# Altium PCB DIOT_Backplane.pcbdoc (part 7 of 11)
Units mm, origin at the board's own origin, x right, y up, seen from the top; angles counter-clockwise.
Board outline 304.8 x 128.5 mm, 14 copper layers (Top Layer, L2, L3GND, L4, L5GND, L6, L7GND, L8, L9GND, L10, L11GND, L12, L13GND, Bottom Layer), stack 4.06 mm thick; 141 components, 1224 nets, 5318 pads, 471 vias.
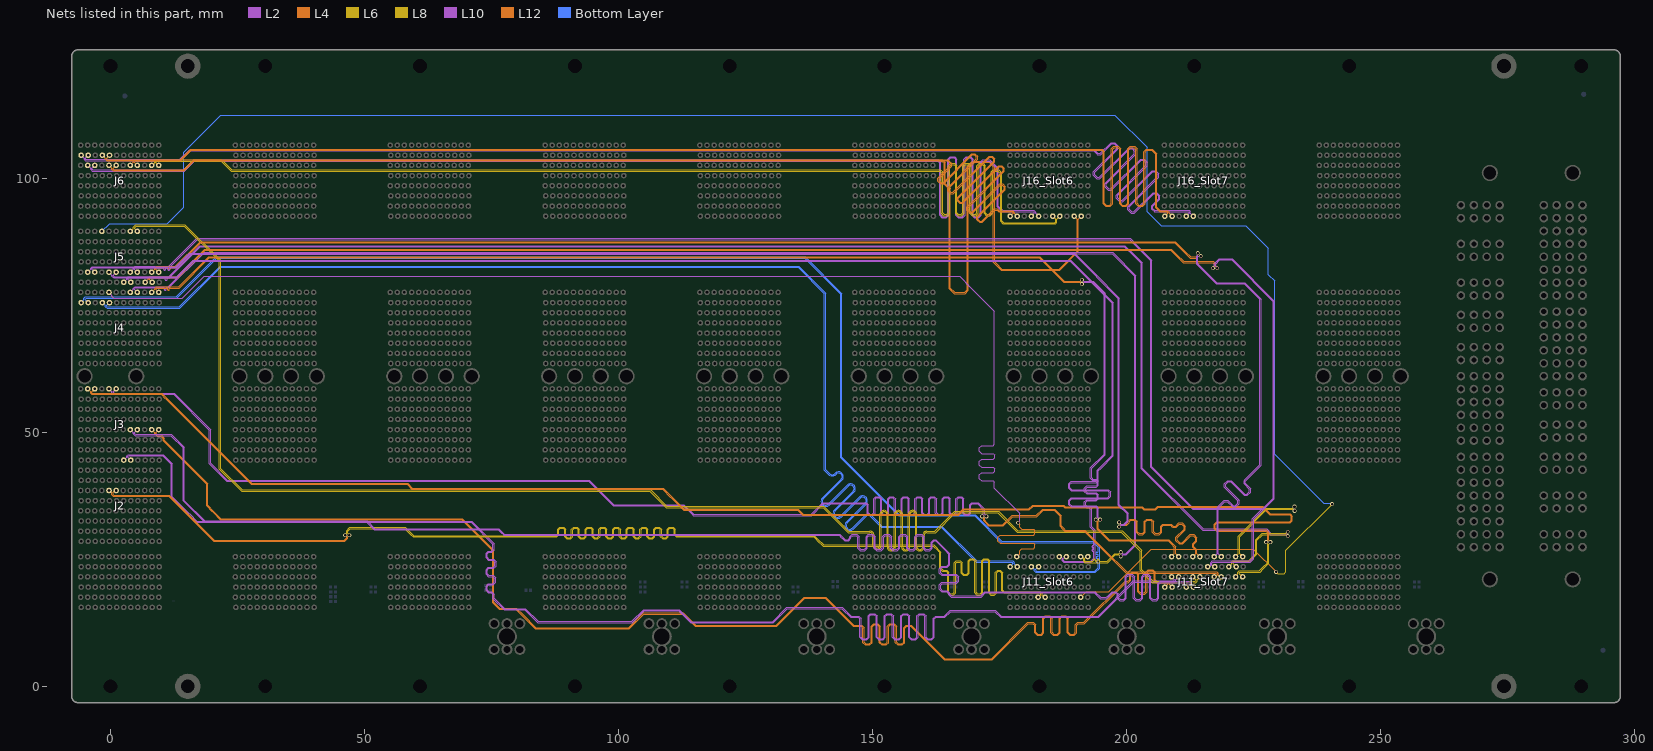
[diagram p19: the nets of this part, all layers, seen from the top]

## Via types
v1: diameter 0.75, hole 0.5, Top Layer to Bottom Layer, tented both sides, 429 vias
v2: diameter 0.85, hole 0.5, Top Layer to Bottom Layer, tented both sides, 32 vias
v3: diameter 1.3, hole 1, Top Layer to Bottom Layer, tented both sides, 10 vias

## Nets (pads, with @x,y where several pads share a name; then routed paths per layer and width w, separated by ;. In a path a pad name is that pad's centre, name@x,y a point inside that pad or via, vN(x,y) a via of type N, cw(c..) or ccw(c..) an arc to the next point about the centre after c; other vN are vias at no path point) (continued)
6_DIFF_8_P: J4.E8 J11_Slot6.B6 | length 264.7
  L2 w0.102: J4.E8@-0.28,77.55 0.306,76.965 0.306,76.796 0.658,76.443 14.162,76.443 18.428,80.709 167.178,80.709 169.295,78.592 174.027,73.86 174.027,49.65 174.027,47.69 173.747,47.41 171.478,47.41 171.065,46.996 171.065,46.248 171.478,45.834 173.768,45.834 174.048,45.555 174.048,44.996 173.768,44.716 171.478,44.716 171.065,44.302 171.065,43.554 171.478,43.14 173.768,43.14 174.048,42.861 174.048,42.302 173.768,42.022 171.478,42.022 171.065,41.608 171.065,40.86 171.478,40.446 173.747,40.446 174.027,40.167 174.027,40.049 174.027,39.037 178.985,34.078 178.985,32.566 178.674,32.254 v1(178.674,32.215)
  L4 w0.102: J11_Slot6.B6@178.4,25.55 178.985,26.136 178.985,26.405 178.985,26.65 179.399,27.064 181.72,27.064 182,27.344 182,27.903 181.72,28.182 175.125,28.182 174.712,28.596 174.712,29.344 175.125,29.758 181.72,29.758 182,30.038 182,30.597 181.72,30.876 179.399,30.876 178.985,31.29 178.985,31.455 178.985,31.503 178.985,31.864 178.674,32.176 v1(178.674,32.215)
6_DIFF_9_N: J4.I8 J11_Slot6.L6 | length 269.7
  L8 w0.12: J11_Slot6.L6@192.4,25.55 192.203,25.55 191.835,25.182 191.835,24.912 191.831,24.908 191.831,24.704 191.901,24.634 193.02,24.634 193.295,24.634 ccw(c193.295,24.821) 193.482,24.821 cw(c193.669,24.821) 193.856,24.821 ccw(c194.043,24.821) 194.23,24.821 194.23,24.831 cw(c194.417,24.831) 194.604,24.831 194.604,24.821 ccw(c194.791,24.821) 194.791,24.634 195.225,24.634 196.191,24.634 197.685,26.127 198.517,26.127 198.808,26.418 v1(198.902,26.418)
  L10 w0.102: J4.I8@5.32,77.55 4.734,78.136 4.734,78.224 4.97,78.459 10.02,78.459 10.427,78.459 cw(c10.427,78.281) 10.605,78.281 10.605,78.129 ccw(c10.783,78.129) 10.783,77.951 ccw(c10.783,78.129) 10.961,78.129 10.961,78.281 cw(c11.139,78.281) 11.139,78.459 11.511,78.459 18.257,85.205 197.191,85.205 201.62,80.776 201.62,27.83 199.897,26.107 199.253,26.107 198.941,26.418 v1(198.902,26.418)
6_DIFF_9_P: J4.H8 J11_Slot6.K6 | length 269.7
  L8 w0.12: J11_Slot6.K6@191,25.55 191.197,25.55 191.565,25.182 191.565,25.024 191.561,25.02 191.561,24.592 191.789,24.364 196.303,24.364 197.797,25.857 198.517,25.857 198.808,25.566 v1(198.902,25.566)
  L10 w0.102: J4.H8@3.92,77.55 4.506,78.136 4.506,78.318 4.875,78.688 11.416,78.688 18.162,85.434 197.286,85.434 201.849,80.871 201.849,27.735 199.992,25.878 199.253,25.878 198.941,25.566 v1(198.902,25.566)
6_DIFF_10_N: J4.L8 J11_Slot6.I6 | length 263.7
  L4 w0.102: J4.L8@9.52,77.55 8.935,78.136 8.935,78.207 9.135,78.408 10.661,78.408 11.068,78.408 cw(c11.068,78.23) 11.246,78.23 11.246,78.115 ccw(c11.424,78.115) 11.424,77.937 ccw(c11.424,78.115) 11.602,78.115 11.602,78.23 cw(c11.78,78.23) 11.78,78.408 12.187,78.408 12.62,78.408 13.511,78.408 19.444,84.341 182.855,84.341 187.687,79.509 190.88,79.509 191.192,79.197 v1(191.231,79.197)
  L10 w0.102: J11_Slot6.I6@188.2,25.55 187.939,25.55 187.615,25.226 187.615,24.807 187.77,24.652 193.009,24.652 193.593,25.236 193.593,26.125 193.593,26.421 ccw(c193.415,26.421) 193.415,26.599 193.398,26.599 cw(c193.398,26.777) 193.22,26.777 cw(c193.398,26.777) 193.398,26.955 193.415,26.955 ccw(c193.415,27.133) 193.593,27.133 ccw(c193.415,27.133) 193.415,27.311 193.398,27.311 cw(c193.398,27.489) 193.22,27.489 cw(c193.398,27.489) 193.398,27.667 193.415,27.667 ccw(c193.415,27.845) 193.593,27.845 193.593,28.252 193.593,30.629 192.907,31.315 192.907,34.783 192.907,34.901 192.628,35.181 192.148,35.181 191.735,35.594 191.735,36.343 192.148,36.757 193.969,36.757 194.248,37.036 194.248,37.595 193.969,37.875 192.148,37.875 191.735,38.288 191.735,39.037 192.148,39.451 193.969,39.451 194.248,39.73 194.248,40.289 193.969,40.569 193.321,40.569 192.907,40.982 192.907,41.816 192.907,43.041 195.6,45.733 195.6,77.325 193.416,79.509 191.582,79.509 191.27,79.197 v1(191.231,79.197)
6_DIFF_10_P: J4.K8 J11_Slot6.H6 | length 263.7
  L4 w0.102: J4.K8@8.12,77.55 8.705,78.136 8.705,78.302 9.04,78.637 13.416,78.637 19.349,84.57 182.95,84.57 187.782,79.738 190.88,79.738 191.192,80.049 v1(191.231,80.049)
  L10 w0.102: J11_Slot6.H6@186.8,25.55 187.061,25.55 187.386,25.226 187.386,24.712 187.675,24.423 193.104,24.423 193.822,25.141 193.822,30.724 193.136,31.41 193.136,34.783 193.136,34.996 192.723,35.41 192.243,35.41 191.964,35.689 191.964,36.248 192.243,36.528 194.063,36.528 194.477,36.941 194.477,37.69 194.063,38.104 192.243,38.104 191.964,38.383 191.964,38.942 192.243,39.222 194.063,39.222 194.477,39.635 194.477,40.384 194.063,40.798 193.416,40.798 193.136,41.077 193.136,41.816 193.136,42.946 195.829,45.639 195.829,77.42 193.51,79.738 191.582,79.738 191.27,80.049 v1(191.231,80.049)
6_DIFF_11_N: J6.C6 J16_Slot6.E1 | length 263.6
  L10 w0.102: J6.C6@-3.08,102.55 -3.665,101.965 -3.665,101.882 -3.447,101.663 14.442,101.663 16.398,103.618 162.314,103.618 162.964,103.618 163.442,103.141 163.442,92.822 163.785,92.479 164.471,92.479 164.814,92.822 164.814,103.757 165.291,104.234 166.166,104.234 166.643,103.757 166.643,92.822 166.986,92.479 167.672,92.479 168.015,92.822 168.015,103.757 168.493,104.234 169.368,104.234 169.845,103.757 169.845,92.822 170.188,92.479 170.874,92.479 171.217,92.822 171.217,103.141 171.695,103.618 171.908,103.618 173.095,103.618 174.769,101.945 174.769,94.545 175.615,93.699 181.779,93.699 182.114,93.364 182.114,93.136 J16_Slot6.E1@182.7,92.55
6_DIFF_11_P: J6.B6 J16_Slot6.D1 | length 263.6
  L10 w0.102: J6.B6@-4.48,102.55 -3.895,101.965 -3.895,101.787 -3.541,101.434 14.537,101.434 16.492,103.39 162.314,103.39 162.87,103.39 163.213,103.047 163.213,92.727 163.69,92.25 164.565,92.25 165.043,92.727 165.043,103.662 165.385,104.005 166.072,104.005 166.415,103.662 166.415,92.727 166.892,92.25 167.767,92.25 168.244,92.727 168.244,103.662 168.587,104.005 169.273,104.005 169.616,103.662 169.616,92.727 170.094,92.25 170.969,92.25 171.446,92.727 171.446,103.047 171.789,103.39 171.908,103.39 173.001,103.39 174.54,101.85 174.54,94.45 175.52,93.47 181.684,93.47 181.886,93.269 181.886,93.136 J16_Slot6.D1@181.3,92.55
6_DIFF_12_N: J6.F6 J16_Slot6.B1 | length 266.3
  L4 w0.102: J6.F6@1.12,102.55 0.534,101.965 0.534,101.817 0.626,101.726 14.476,101.726 16.432,103.681 164.888,103.681 165.258,103.311 165.584,102.986 165.584,102.401 163.108,99.925 163.108,99.53 163.503,99.134 163.899,99.134 169.602,104.837 170.187,104.837 170.716,104.308 170.716,103.723 165.013,98.02 165.013,97.625 165.408,97.229 165.804,97.229 172.958,104.384 173.543,104.384 174.072,103.854 174.072,103.269 166.918,96.115 166.918,95.72 167.313,95.324 167.709,95.324 174.863,102.479 175.448,102.479 175.977,101.949 175.977,101.364 168.823,94.21 168.823,93.815 169.218,93.42 169.614,93.42 175.082,98.888 175.667,98.888 176.197,98.359 176.197,97.774 170.782,92.359 170.782,91.964 171.177,91.568 171.572,91.568 173.994,93.99 174.579,93.99 174.73,93.84 174.921,93.648 177.613,93.648 177.915,93.347 177.915,93.136 J16_Slot6.B1@178.5,92.55
6_DIFF_12_P: J6.E6 J16_Slot6.A1 | length 266.3
  L4 w0.102: J6.E6@-0.28,102.55 0.306,101.965 0.306,101.722 0.531,101.497 14.571,101.497 16.527,103.452 164.793,103.452 165.096,103.149 165.355,102.891 165.355,102.495 162.879,100.02 162.879,99.435 163.409,98.905 163.994,98.905 169.696,104.608 170.092,104.608 170.487,104.213 170.487,103.818 164.784,98.115 164.784,97.53 165.314,97 165.898,97 173.053,104.155 173.448,104.155 173.843,103.759 173.843,103.364 166.689,96.21 166.689,95.625 167.218,95.095 167.803,95.095 174.958,102.25 175.353,102.25 175.748,101.854 175.748,101.459 168.594,94.305 168.594,93.72 169.123,93.191 169.708,93.191 175.177,98.659 175.573,98.659 175.968,98.264 175.968,97.869 170.553,92.454 170.553,91.869 171.082,91.339 171.667,91.339 174.089,93.761 174.484,93.761 174.568,93.678 174.826,93.419 177.519,93.419 177.685,93.252 177.685,93.136 J16_Slot6.A1@177.1,92.55
6_DIFF_13_N: J6.I6 J16_Slot6.K1 | length 265
  L12 w0.102: J6.I6@5.32,102.55 4.734,103.136 4.734,103.293 4.843,103.402 161.786,103.402 163.689,103.402 164.14,102.95 164.14,98.85 165.14,97.85 165.14,78.25 165.74,77.65 166.069,77.321 168.235,77.321 168.902,77.988 168.902,102.247 169.778,103.123 173.03,103.123 173.83,102.323 173.83,83.437 174.078,83.188 175.345,81.921 186.835,81.921 190.514,85.601 190.514,91.51 190.515,91.964 J16_Slot6.K1@191.1,92.55
6_DIFF_13_P: J6.H6 J16_Slot6.J1 | length 265
  L12 w0.102: J6.H6@3.92,102.55 4.506,103.136 4.506,103.388 4.748,103.631 163.783,103.631 164.302,103.112 164.369,103.045 164.369,98.945 165.302,98.012 165.369,97.945 165.369,78.345 166.064,77.65 166.164,77.55 168.14,77.55 168.673,78.083 168.673,102.342 169.683,103.352 173.124,103.352 174.059,102.418 174.059,83.579 174.24,83.398 174.24,83.35 175.44,82.15 186.74,82.15 190.285,85.695 190.285,91.964 J16_Slot6.J1@189.7,92.55
6_DIFF_14_N: J6.L6 J16_Slot6.H1 | length 265
  L8 w0.12: J6.L6@9.52,102.55 8.955,103.115 8.955,103.218 9.118,103.381 21.808,103.381 23.764,101.425 162.54,101.425 162.585,101.425 163.266,101.425 163.55,101.141 163.55,93.087 163.992,92.645 164.783,92.645 165.226,93.087 165.226,102.413 165.51,102.697 166.078,102.697 166.362,102.413 166.362,93.087 166.804,92.645 167.595,92.645 168.037,93.087 168.037,102.413 168.321,102.697 168.889,102.697 169.173,102.413 169.173,93.087 169.615,92.645 170.407,92.645 170.849,93.087 170.849,102.413 171.133,102.697 171.701,102.697 171.985,102.413 171.985,93.087 172.427,92.645 173.218,92.645 173.661,93.087 173.661,101.141 173.945,101.425 174.084,101.425 174.713,101.425 175.225,100.914 175.225,91.569 175.699,91.095 175.778,91.016 176.001,91.016 185.811,91.016 186.034,91.016 186.114,91.095 186.335,91.317 186.335,91.985 J16_Slot6.H1@186.9,92.55
6_DIFF_14_P: J6.K6 J16_Slot6.G1 | length 265
  L8 w0.12: J6.K6@8.12,102.55 8.685,103.115 8.685,103.33 9.006,103.651 21.92,103.651 23.876,101.695 162.54,101.695 162.585,101.695 163.378,101.695 163.82,101.253 163.82,93.199 164.104,92.915 164.672,92.915 164.956,93.199 164.956,102.525 165.398,102.967 166.189,102.967 166.631,102.525 166.631,93.199 166.915,92.915 167.483,92.915 167.767,93.199 167.767,102.525 168.209,102.967 169.001,102.967 169.443,102.525 169.443,93.199 169.727,92.915 170.295,92.915 170.579,93.199 170.579,102.525 171.021,102.967 171.813,102.967 172.255,102.525 172.255,93.199 172.539,92.915 173.107,92.915 173.391,93.199 173.391,101.253 173.833,101.695 174.084,101.695 174.825,101.695 175.495,101.025 175.495,91.681 175.89,91.286 185.923,91.286 186.065,91.429 186.065,91.985 J16_Slot6.G1@185.5,92.55
6_DIFF_15_N: J2.F6 J11_Slot6.F2 | length 268.2
  L4 w0.102: J2.F6@1.12,38.55 0.859,38.55 0.534,38.226 0.534,37.765 0.645,37.655 11.564,37.655 20.419,28.8 46.024,28.8 46.502,29.278 46.502,29.406 46.19,29.718 v1(46.19,29.757)
  L6 w0.102: v1(46.19,29.757) 46.19,29.796 46.502,30.108 46.502,30.639 47.144,31.282 58.033,31.282 59.278,30.037 59.684,29.631 87.669,29.631 87.787,29.631 88.067,29.91 88.067,30.932 88.481,31.345 89.229,31.345 89.643,30.932 89.643,29.575 89.922,29.295 90.481,29.295 90.761,29.575 90.761,30.932 91.175,31.345 91.923,31.345 92.337,30.932 92.337,29.575 92.616,29.295 93.175,29.295 93.455,29.575 93.455,30.932 93.869,31.345 94.617,31.345 95.031,30.932 95.031,29.575 95.31,29.295 95.869,29.295 96.149,29.575 96.149,30.932 96.563,31.345 97.311,31.345 97.725,30.932 97.725,29.575 98.004,29.295 98.563,29.295 98.843,29.575 98.843,30.932 99.257,31.345 100.005,31.345 100.419,30.932 100.419,29.575 100.698,29.295 101.257,29.295 101.537,29.575 101.537,30.932 101.951,31.345 102.699,31.345 103.113,30.932 103.113,29.575 103.392,29.295 103.951,29.295 104.231,29.575 104.231,30.932 104.644,31.345 105.393,31.345 105.807,30.932 105.807,29.575 106.086,29.295 106.645,29.295 106.925,29.575 106.925,30.932 107.338,31.345 108.087,31.345 108.501,30.932 108.501,29.575 108.78,29.295 109.339,29.295 109.619,29.575 109.619,30.932 110.032,31.345 110.781,31.345 111.195,30.932 111.195,29.91 111.474,29.631 112.405,29.631 138.577,29.631 139.237,28.97 140.38,27.827 162.087,27.827 163.469,26.445 163.469,23.321 163.94,22.85 164.146,22.85 164.6,22.85 165.013,22.436 165.013,18.48 165.293,18.201 165.852,18.201 166.131,18.48 166.131,24.283 166.545,24.697 167.294,24.697 167.707,24.283 167.707,22.335 167.987,22.056 168.546,22.056 168.825,22.335 168.825,24.722 169.239,25.136 169.988,25.136 170.401,24.722 170.401,18.48 170.681,18.201 171.24,18.201 171.519,18.48 171.519,24.722 171.933,25.136 172.682,25.136 173.095,24.722 173.095,18.48 173.375,18.201 173.934,18.201 174.213,18.48 174.213,22.436 174.627,22.85 174.84,22.85 175.133,22.85 175.669,22.314 175.669,18.89 175.902,18.658 183.087,18.658 183.414,18.33 183.414,17.874 183.739,17.55 J11_Slot6.F2@184,17.55
6_DIFF_15_P: J2.E6 J11_Slot6.E2 | length 268.2
  L4 w0.102: J2.E6@-0.28,38.55 -0.019,38.55 0.305,38.226 0.305,37.671 0.55,37.426 11.469,37.426 20.324,28.571 46.119,28.571 46.731,29.183 46.731,29.406 47.042,29.718 v1(47.042,29.757)
  L6 w0.102: v1(47.042,29.757) 47.042,29.796 46.731,30.108 46.731,30.545 47.239,31.053 57.938,31.053 58.954,30.037 59.116,29.875 59.589,29.402 87.669,29.402 87.882,29.402 88.296,29.815 88.296,30.837 88.575,31.116 89.134,31.116 89.414,30.837 89.414,29.48 89.828,29.066 90.576,29.066 90.99,29.48 90.99,30.837 91.269,31.116 91.828,31.116 92.108,30.837 92.108,29.48 92.522,29.066 93.27,29.066 93.684,29.48 93.684,30.837 93.963,31.116 94.522,31.116 94.802,30.837 94.802,29.48 95.216,29.066 95.964,29.066 96.378,29.48 96.378,30.837 96.657,31.116 97.216,31.116 97.496,30.837 97.496,29.48 97.91,29.066 98.658,29.066 99.072,29.48 99.072,30.837 99.351,31.116 99.91,31.116 100.19,30.837 100.19,29.48 100.604,29.066 101.352,29.066 101.766,29.48 101.766,30.837 102.045,31.116 102.604,31.116 102.884,30.837 102.884,29.48 103.298,29.066 104.046,29.066 104.46,29.48 104.46,30.837 104.739,31.116 105.298,31.116 105.578,30.837 105.578,29.48 105.991,29.066 106.74,29.066 107.154,29.48 107.154,30.837 107.433,31.116 107.992,31.116 108.272,30.837 108.272,29.48 108.685,29.066 109.434,29.066 109.848,29.48 109.848,30.837 110.127,31.116 110.686,31.116 110.966,30.837 110.966,29.815 111.379,29.402 112.405,29.402 138.482,29.402 138.914,28.97 139.075,28.808 140.285,27.598 161.992,27.598 162.84,26.75 163.002,26.588 163.24,26.35 163.24,23.226 163.778,22.688 163.845,22.621 164.146,22.621 164.505,22.621 164.784,22.342 164.784,18.386 165.198,17.972 165.947,17.972 166.36,18.386 166.36,24.188 166.64,24.468 167.199,24.468 167.478,24.188 167.478,22.241 167.892,21.827 168.641,21.827 169.054,22.241 169.054,24.628 169.334,24.907 169.893,24.907 170.172,24.628 170.172,18.386 170.586,17.972 171.335,17.972 171.748,18.386 171.748,24.628 172.028,24.907 172.587,24.907 172.866,24.628 172.866,18.386 173.28,17.972 174.029,17.972 174.442,18.386 174.442,22.342 174.722,22.621 174.84,22.621 175.038,22.621 175.44,22.219 175.44,18.796 175.807,18.429 175.891,18.429 182.992,18.429 183.186,18.236 183.186,17.874 182.861,17.55 J11_Slot6.E2@182.6,17.55
6_MGT_Rx_N: J4.E7 J11_Slot6.B5 | length 265
  Bottom Layer w0.15: J4.E7@-0.18,75.55 -0.754,74.976 -0.754,74.868 -0.563,74.677 12.669,74.677 13.57,74.677 21.61,82.716 135.478,82.716 140.812,77.382 140.812,42.635 141.434,42.013 141.576,41.871 ccw(c142.079,42.373) 142.581,41.871 142.655,41.945 cw(c143.336,41.266) 144.053,40.625 144.053,40.623 140.314,36.884 ccw(c140.815,36.381) 141.318,35.88 ; 141.318,35.88 145.019,39.581 cw(c145.7,38.902) 146.379,39.582 ; 143.682,33.516 cw(c143.179,34.017) 142.678,34.52 146.417,38.259 146.417,38.261 ccw(c145.7,38.902) 146.38,39.582 ; 143.682,33.516 147.383,37.217 ; 147.383,37.218 cw(c148.064,36.538) 148.743,37.218 ; 148.744,37.218 cw(c148.064,36.538) 148.781,35.897 148.781,35.895 145.042,32.156 ccw(c145.543,31.654) 146.046,31.152 148.49,33.596 cw(c149.171,32.917) 149.811,33.634 149.814,33.634 149.85,33.598 cw(c149.171,32.917) 149.851,33.596 151.146,32.301 151.252,32.196 151.886,31.562 156.611,31.562 163.593,31.562 163.697,31.561 170.569,24.689 176.328,24.689 177.618,24.69 177.926,24.382 177.926,24.124 J11_Slot6.B5@178.5,23.55
6_MGT_Rx_P: J4.D7 J11_Slot6.A5 | length 265
  Bottom Layer w0.15: J4.D7@-1.58,75.55 -1.006,74.976 -1.006,74.764 -0.667,74.425 12.669,74.425 13.674,74.425 21.714,82.465 135.374,82.465 140.561,77.278 140.561,42.531 141.257,41.835 141.398,41.694 ; 140.136,37.062 ccw(c140.815,36.381) 141.456,35.665 141.458,35.665 145.197,39.403 cw(c145.7,38.902) 146.202,39.404 cw(c145.7,38.902) 146.201,38.4 142.5,34.698 ccw(c143.179,34.017) 143.82,33.301 143.822,33.301 147.561,37.039 cw(c148.064,36.538) 148.566,37.04 cw(c148.064,36.538) 148.565,36.036 144.864,32.334 ccw(c145.543,31.654) 146.184,30.937 146.186,30.937 148.668,33.418 ; 140.136,37.062 143.837,40.763 ; 141.399,41.693 ccw(c142.079,42.373) 142.759,41.693 142.833,41.767 cw(c143.336,41.266) 143.837,40.764 ; 148.668,33.418 cw(c149.171,32.917) 149.673,33.418 ; 149.674,33.418 150.969,32.123 151.074,32.018 151.781,31.31 156.507,31.31 163.593,31.31 170.465,24.438 176.328,24.438 177.514,24.438 177.674,24.277 177.674,24.124 J11_Slot6.A5@177.1,23.55
6_MGT_Tx_N: J4.B7 J11_Slot6.E5 | length 265.5
  Bottom Layer w0.15: J4.B7@-4.38,75.55 -4.954,76.124 -4.954,76.282 -4.805,76.431 10.688,76.431 13.039,76.432 20.927,84.319 136.644,84.319 143.759,77.204 143.759,44.997 155.206,33.55 170.12,33.55 175.386,28.284 193.517,28.284 194.457,27.344 194.457,27.047 194.457,26.568 cw(c194.255,26.568) 194.255,26.366 194.151,26.366 ccw(c194.151,26.164) 193.949,26.164 ccw(c194.151,26.164) 194.151,25.962 194.255,25.962 cw(c194.255,25.76) 194.457,25.76 cw(c194.255,25.76) 194.255,25.558 194.217,25.558 ccw(c194.217,25.356) 194.015,25.356 ccw(c194.217,25.356) 194.217,25.154 194.255,25.154 cw(c194.255,24.952) 194.457,24.952 cw(c194.255,24.952) 194.255,24.75 ccw(c194.255,24.548) 194.053,24.548 ccw(c194.255,24.548) 194.255,24.346 cw(c194.255,24.144) 194.457,24.144 194.457,23.814 194.457,23.382 193.771,22.696 182.265,22.696 182.126,22.835 182.126,23.052 182.624,23.55 J11_Slot6.E5@182.7,23.55
6_MGT_Tx_P: J4.A7 J11_Slot6.D5 | length 265.5
  Bottom Layer w0.15: J4.A7@-5.78,75.55 -5.206,76.124 -5.206,76.386 -4.909,76.683 10.688,76.683 12.935,76.683 20.822,84.57 136.748,84.57 144.01,77.309 144.01,45.101 155.31,33.802 170.224,33.802 175.49,28.536 193.621,28.536 194.709,27.448 194.709,23.278 193.875,22.444 182.161,22.444 181.874,22.731 181.874,23.052 181.376,23.55 J11_Slot6.D5@181.3,23.55
6_SERVMOD: J5.D6 J11_Slot6.K2 | length 383.7
  L8 w0.102: v1(229.47,22.53) 229.786,22.213 231.058,22.213 231.414,22.569 231.414,26.807 240.492,35.885 v1(240.492,35.89)
  L12 w0.102: J11_Slot6.K2@191,17.55 192.054,18.604 196.494,18.604 204.901,27.011 224.988,27.011 v1(229.47,22.53)
  Bottom Layer w0.102: J5.D6@-1.68,89.55 -0.135,91.095 11.165,91.095 14.42,94.35 14.42,105.15 21.72,112.45 27.52,112.45 197.747,112.45 204.073,106.124 204.073,93.424 206.847,90.65 222.62,90.65 223.52,90.65 227.92,86.25 227.92,81.05 229.17,79.8 229.17,45.7 238.865,36.005 240.377,36.005 v1(240.492,35.89)
7_CLK_N: J5.I6 J11_Slot7.F4 | length 318
  L8 w0.12: J5.I6@5.32,89.55 4.755,90.115 4.755,90.28 5.08,90.605 14.297,90.605 14.356,90.605 14.567,90.605 21.432,83.739 21.432,42.761 25.811,38.383 106.206,38.383 109.394,35.195 140.294,35.195 145.208,30.28 146.939,30.28 149.494,30.28 cw(c149.494,29.712) 150.062,29.712 150.062,27.801 ccw(c150.899,27.801) 151.737,27.801 151.737,33.791 cw(c152.305,33.791) 152.873,33.791 152.873,27.486 ccw(c153.711,27.486) 154.549,27.486 154.549,33.791 cw(c155.117,33.791) 155.685,33.791 155.685,27.486 ccw(c156.523,27.486) 157.361,27.486 157.361,33.791 cw(c157.929,33.791) 158.497,33.791 158.497,27.486 ccw(c159.334,27.486) 160.172,27.486 160.172,29.712 cw(c160.74,29.712) 160.74,30.28 160.935,30.28 162.432,30.28 166.302,34.15 174.72,34.15 178.52,30.35 199.028,30.35 202.74,26.638 202.74,22.819 205.135,20.425 205.246,20.425 213.502,20.425 213.614,20.425 213.915,20.726 213.915,20.985 J11_Slot7.F4@214.48,21.55
7_CLK_P: J5.H6 J11_Slot7.E4 | length 318
  L8 w0.12: J5.H6@3.92,89.55 4.485,90.115 4.485,90.392 4.968,90.875 14.467,90.875 14.679,90.875 21.702,83.851 21.702,42.873 25.923,38.653 106.317,38.653 109.506,35.464 140.406,35.464 145.32,30.55 146.939,30.55 149.494,30.55 cw(c149.494,29.712) 150.331,29.712 150.331,27.801 ccw(c150.899,27.801) 151.467,27.801 151.467,33.791 cw(c152.305,33.791) 153.143,33.791 153.143,27.486 ccw(c153.711,27.486) 154.279,27.486 154.279,33.791 cw(c155.117,33.791) 155.955,33.791 155.955,27.486 ccw(c156.523,27.486) 157.091,27.486 157.091,33.791 cw(c157.929,33.791) 158.766,33.791 158.766,27.486 ccw(c159.334,27.486) 159.902,27.486 159.902,29.712 cw(c160.74,29.712) 160.74,30.55 160.935,30.55 162.32,30.55 166.19,34.42 174.832,34.42 178.632,30.62 199.14,30.62 203.01,26.75 203.01,22.931 205.246,20.695 213.502,20.695 213.645,20.838 213.645,20.985 J11_Slot7.E4@213.08,21.55
7_DIFF_0_N: J3.I4 J11_Slot7.E3 | length 290.1
  L2 w0.102: J3.I4@5.32,50.55 4.734,49.965 4.734,49.84 4.97,49.605 9.113,49.605 11.992,49.605 14.574,47.023 14.574,36.583 18.581,32.577 50.534,32.577 52.058,31.053 76.468,31.053 77.56,29.96 143.549,29.96 144.63,28.879 145.089,28.879 145.207,28.879 145.55,29.222 145.55,29.428 146.027,29.905 146.902,29.905 147.38,29.428 147.38,27.309 147.723,26.966 148.409,26.966 148.752,27.309 148.752,29.428 149.229,29.905 150.104,29.905 150.582,29.428 150.582,27.309 150.925,26.966 151.611,26.966 151.954,27.309 151.954,29.428 152.431,29.905 153.306,29.905 153.784,29.428 153.784,27.309 154.127,26.966 154.813,26.966 155.156,27.309 155.156,29.428 155.633,29.905 156.508,29.905 156.986,29.428 156.986,27.309 157.329,26.966 158.015,26.966 158.358,27.309 158.358,29.428 158.835,29.905 159.71,29.905 160.188,29.428 160.188,27.309 160.531,26.966 161.217,26.966 161.56,27.309 161.56,28.402 162.037,28.879 162.44,28.879 162.512,28.879 164.655,26.736 165.253,26.138 165.253,24.496 165.253,23.899 164.776,23.421 163.772,23.421 163.429,23.078 163.429,22.392 163.772,22.049 166.489,22.049 166.967,21.572 166.967,20.697 166.489,20.219 163.772,20.219 163.429,19.876 163.429,19.19 163.772,18.847 164.776,18.847 165.253,18.37 165.253,18.157 165.61,17.8 171.3,17.8 172.129,18.629 193.795,18.629 194.924,17.5 196.078,17.5 196.427,17.849 196.85,18.272 197.248,18.67 197.922,18.67 198.4,18.192 198.4,17.462 198.743,17.119 199.429,17.119 199.772,17.462 199.772,21.563 200.249,22.04 201.124,22.04 201.602,21.563 201.602,17.462 201.945,17.119 202.631,17.119 202.974,17.462 202.974,21.563 203.451,22.04 204.326,22.04 204.804,21.563 204.804,17.462 205.147,17.119 205.833,17.119 206.176,17.462 206.176,20.172 206.653,20.649 206.866,20.649 212.31,20.649 212.594,20.364 212.594,20.135 J11_Slot7.E3@213.18,19.55
7_DIFF_0_P: J3.H4 J11_Slot7.D3 | length 290.1
  L2 w0.102: J3.H4@3.92,50.55 4.506,49.965 4.506,49.745 4.875,49.376 11.898,49.376 14.345,46.928 14.345,36.489 18.352,32.482 18.486,32.348 50.439,32.348 51.963,30.824 76.373,30.824 77.033,30.164 77.195,30.002 77.465,29.731 143.454,29.731 143.911,29.275 144.073,29.113 144.536,28.65 145.089,28.65 145.301,28.65 145.779,29.127 145.779,29.333 146.122,29.676 146.808,29.676 147.151,29.333 147.151,27.215 147.628,26.737 148.503,26.737 148.981,27.215 148.981,29.333 149.324,29.676 150.01,29.676 150.353,29.333 150.353,27.215 150.83,26.737 151.705,26.737 152.183,27.215 152.183,29.333 152.526,29.676 153.212,29.676 153.555,29.333 153.555,27.215 154.032,26.737 154.907,26.737 155.385,27.215 155.385,29.333 155.728,29.676 156.414,29.676 156.757,29.333 156.757,27.215 157.234,26.737 158.109,26.737 158.587,27.215 158.587,29.333 158.93,29.676 159.616,29.676 159.959,29.333 159.959,27.215 160.436,26.737 161.311,26.737 161.789,27.215 161.789,28.307 162.132,28.65 162.417,28.65 162.44,28.627 164.494,26.574 164.655,26.412 165.024,26.043 165.024,24.496 165.024,23.993 164.681,23.65 163.677,23.65 163.2,23.173 163.2,22.298 163.677,21.82 166.395,21.82 166.738,21.477 166.738,20.791 166.395,20.448 163.677,20.448 163.2,19.971 163.2,19.096 163.677,18.618 164.681,18.618 165.024,18.275 165.024,18.157 165.024,18.062 165.515,17.571 171.395,17.571 172.224,18.4 193.7,18.4 194.3,17.8 194.462,17.638 194.829,17.271 196.173,17.271 196.85,17.948 197.343,18.441 197.828,18.441 198.171,18.098 198.171,17.367 198.648,16.89 199.523,16.89 200.001,17.367 200.001,21.468 200.344,21.811 201.03,21.811 201.373,21.468 201.373,17.367 201.85,16.89 202.725,16.89 203.203,17.367 203.203,21.468 203.546,21.811 204.232,21.811 204.575,21.468 204.575,17.367 205.052,16.89 205.927,16.89 206.405,17.367 206.405,20.077 206.748,20.42 206.866,20.42 212.215,20.42 212.366,20.269 212.366,20.135 J11_Slot7.D3@211.78,19.55
7_DIFF_1_N: J3.L4 J11_Slot7.B3 | length 289.3
  L12 w0.102: J3.L4@9.52,50.55 8.935,49.965 8.935,49.856 9.309,49.482 10.006,49.482 10.619,48.869 10.619,48.413 19.146,39.885 19.146,35.65 20.289,34.507 21.762,33.034 69.26,33.034 75.474,26.821 75.474,16.584 76.658,15.4 79.902,15.4 81.14,14.162 83.737,11.565 101.993,11.565 104.893,14.464 112.757,14.464 115.206,12.016 131.087,12.016 136.625,17.553 140.834,17.553 146.371,12.016 147.099,12.016 147.892,12.016 148.369,11.538 148.369,8.718 148.712,8.375 149.398,8.375 149.741,8.718 149.741,11.861 150.218,12.338 151.094,12.338 151.571,11.861 151.571,8.718 151.914,8.375 152.6,8.375 152.943,8.718 152.943,11.861 153.42,12.338 154.296,12.338 154.773,11.861 154.773,8.718 155.116,8.375 155.802,8.375 156.145,8.718 156.145,11.538 156.622,12.016 156.835,12.016 157.674,12.016 164.253,5.437 173.48,5.437 180.617,12.574 180.926,12.574 181.697,12.574 182.174,12.097 182.174,10.631 182.517,10.288 183.203,10.288 183.546,10.631 183.546,13.412 184.023,13.889 184.899,13.889 185.376,13.412 185.376,10.631 185.719,10.288 186.405,10.288 186.748,10.631 186.748,13.412 187.225,13.889 188.101,13.889 188.578,13.412 188.578,10.631 188.921,10.288 189.607,10.288 189.95,10.631 189.95,12.097 190.427,12.574 190.64,12.574 191.641,12.574 199.731,20.665 200.174,20.665 200.292,20.664 200.635,21.007 200.635,22.011 201.112,22.488 201.988,22.488 202.465,22.011 202.465,18.721 202.808,18.379 203.494,18.379 203.837,18.721 203.837,22.473 204.314,22.951 205.19,22.951 205.667,22.473 205.667,21.007 206.01,20.664 206.486,20.664 208.137,20.665 208.395,20.407 208.395,20.135 J11_Slot7.B3@208.98,19.55
7_DIFF_1_P: J3.K4 J11_Slot7.A3 | length 289.3
  L12 w0.102: J3.K4@8.12,50.55 8.706,49.964 8.706,49.761 9.214,49.253 9.911,49.253 10.39,48.774 10.39,48.318 18.917,39.791 18.917,35.555 19.965,34.507 20.127,34.345 21.668,32.805 69.166,32.805 75.245,26.726 75.245,16.49 76.563,15.171 79.807,15.171 81.046,13.933 83.643,11.336 102.087,11.336 104.987,14.236 112.662,14.236 115.111,11.787 131.182,11.787 136.719,17.324 140.739,17.324 146.277,11.787 147.099,11.787 147.797,11.787 148.14,11.444 148.14,8.623 148.617,8.146 149.493,8.146 149.97,8.623 149.97,11.766 150.313,12.109 150.999,12.109 151.342,11.766 151.342,8.623 151.819,8.146 152.695,8.146 153.172,8.623 153.172,11.766 153.515,12.109 154.201,12.109 154.544,11.766 154.544,8.623 155.021,8.146 155.897,8.146 156.374,8.623 156.374,11.444 156.717,11.787 156.835,11.787 157.58,11.787 164.158,5.208 173.575,5.208 180.712,12.345 180.926,12.345 181.602,12.345 181.945,12.002 181.945,10.536 182.422,10.059 183.298,10.059 183.775,10.536 183.775,13.317 184.118,13.66 184.804,13.66 185.147,13.317 185.147,10.536 185.624,10.059 186.5,10.059 186.977,10.536 186.977,13.317 187.32,13.66 188.006,13.66 188.349,13.317 188.349,10.536 188.826,10.059 189.702,10.059 190.179,10.536 190.179,12.002 190.522,12.345 190.64,12.345 191.736,12.345 199.826,20.436 200.174,20.436 200.387,20.436 200.864,20.913 200.864,21.916 201.207,22.259 201.893,22.259 202.236,21.916 202.236,18.627 202.713,18.15 203.589,18.15 204.066,18.627 204.066,22.379 204.409,22.722 205.095,22.722 205.438,22.379 205.438,20.913 205.915,20.436 206.486,20.436 208.043,20.436 208.165,20.313 208.165,20.135 J11_Slot7.A3@207.58,19.55
7_DIFF_2_N: J3.H1 J11_Slot7.C4 | length 290.1
  L10 w0.102: J3.H1@4.02,44.55 3.434,45.136 3.434,45.25 3.561,45.376 10.259,45.376 10.778,44.856 11.958,43.676 11.958,37.257 15.428,33.786 16.944,32.271 70.995,32.271 75.282,27.984 75.282,27.426 75.282,26.975 74.939,26.632 74.426,26.632 73.949,26.154 73.949,25.279 74.426,24.802 75.362,24.802 75.705,24.459 75.705,23.773 75.362,23.43 74.426,23.43 73.949,22.952 73.949,22.077 74.426,21.6 75.259,21.6 75.602,21.257 75.602,20.571 75.259,20.228 74.426,20.228 73.949,19.75 73.949,18.875 74.426,18.398 74.939,18.398 75.282,18.055 75.282,17.937 75.282,17.288 77.495,15.075 81.595,15.075 84.133,12.537 102.76,12.537 105.069,14.846 111.861,14.846 114.196,12.511 130.459,12.511 133.269,15.321 144,15.321 145.706,13.615 147.007,13.615 147.198,13.615 147.541,13.272 147.541,9.618 148.018,9.141 148.894,9.141 149.371,9.618 149.371,13.768 149.714,14.111 150.4,14.111 150.743,13.768 150.743,9.618 151.22,9.141 152.096,9.141 152.573,9.618 152.573,13.768 152.916,14.111 153.602,14.111 153.945,13.768 153.945,9.618 154.422,9.141 155.298,9.141 155.775,9.618 155.775,13.768 156.118,14.111 156.804,14.111 157.147,13.768 157.147,9.618 157.624,9.141 158.5,9.141 158.977,9.618 158.977,13.768 159.32,14.111 160.006,14.111 160.349,13.768 160.349,9.618 160.826,9.141 161.702,9.141 162.179,9.618 162.179,13.272 162.522,13.615 162.64,13.615 164.278,13.615 165.396,14.733 174.115,14.733 175.258,13.59 194.555,13.59 201.475,20.509 209.456,20.509 209.695,20.748 209.695,20.964 J11_Slot7.C4@210.28,21.55
7_DIFF_2_P: J3.G1 J11_Slot7.B4 | length 290.1
  L10 w0.102: J3.G1@2.62,44.55 3.206,45.136 3.206,45.345 3.466,45.605 10.353,45.605 12.187,43.771 12.187,37.351 15.428,34.11 15.59,33.948 17.038,32.5 71.09,32.5 75.511,28.079 75.511,27.426 75.511,26.88 75.034,26.403 74.521,26.403 74.178,26.06 74.178,25.374 74.521,25.031 75.457,25.031 75.934,24.553 75.934,23.678 75.457,23.201 74.521,23.201 74.178,22.858 74.178,22.172 74.521,21.829 75.354,21.829 75.831,21.351 75.831,20.476 75.354,19.999 74.521,19.999 74.178,19.656 74.178,18.97 74.521,18.627 75.034,18.627 75.511,18.149 75.511,17.937 75.511,17.383 77.59,15.304 81.5,15.304 81.69,15.304 84.228,12.766 102.665,12.766 104.974,15.075 111.956,15.075 114.291,12.74 130.364,12.74 133.174,15.55 144.095,15.55 145.801,13.844 147.007,13.844 147.293,13.844 147.77,13.367 147.77,9.713 148.113,9.37 148.799,9.37 149.142,9.713 149.142,13.863 149.619,14.34 150.495,14.34 150.972,13.863 150.972,9.713 151.315,9.37 152.001,9.37 152.344,9.713 152.344,13.863 152.821,14.34 153.697,14.34 154.174,13.863 154.174,9.713 154.517,9.37 155.203,9.37 155.546,9.713 155.546,13.863 156.023,14.34 156.899,14.34 157.376,13.863 157.376,9.713 157.719,9.37 158.405,9.37 158.748,9.713 158.748,13.863 159.225,14.34 160.101,14.34 160.578,13.863 160.578,9.713 160.921,9.37 161.607,9.37 161.95,9.713 161.95,13.367 162.427,13.844 162.64,13.844 164.184,13.844 165.301,14.962 174.21,14.962 175.353,13.819 194.46,13.819 201.38,20.738 209.361,20.738 209.465,20.842 209.465,20.964 J11_Slot7.B4@208.88,21.55
7_DIFF_3_N: J3.C8 J11_Slot7.L4 | length 291.2
  L4 w0.102: J3.C8@-3.08,58.55 -3.665,57.965 -3.665,57.808 -3.539,57.682 8.859,57.682 10.087,57.682 27.801,39.968 58.484,39.968 59.45,39.003 108.791,39.003 112.915,34.879 135.415,34.879 136.382,33.912 166.882,33.912 167.92,34.95 180.796,34.95 181.518,35.672 187.622,35.672 187.943,35.351 203.143,35.351 203.544,34.95 205.648,34.95 206.148,35.45 226.864,35.45 227.602,34.712 227.864,34.45 228.325,33.989 232.214,33.989 232.691,33.512 232.691,32.636 232.214,32.159 217.862,32.159 217.519,31.816 217.519,31.13 217.862,30.787 227.559,30.787 228.036,30.31 228.036,30.034 228.036,28.736 228.348,28.425 v1(228.348,28.386)
  L8 w0.12: J11_Slot7.L4@222.88,21.55 222.245,22.185 222.245,22.397 222.315,22.467 226.309,22.467 226.979,23.137 228.057,24.215 228.057,28 228.348,28.291 v1(228.348,28.386)
7_DIFF_3_P: J3.B8 J11_Slot7.K4 | length 291.2
  L4 w0.102: J3.B8@-4.48,58.55 -3.895,57.965 -3.895,57.713 -3.634,57.453 9.993,57.453 10.713,56.732 10.875,56.57 27.706,39.739 58.39,39.739 59.355,38.774 108.696,38.774 110.22,37.25 110.382,37.088 112.82,34.65 135.32,34.65 136.287,33.683 166.977,33.683 168.015,34.721 180.891,34.721 181.613,35.443 187.527,35.443 187.848,35.122 203.048,35.122 203.449,34.721 205.743,34.721 206.243,35.221 226.769,35.221 227.278,34.712 227.44,34.55 227.54,34.45 228.23,33.76 232.119,33.76 232.462,33.417 232.462,32.731 232.119,32.388 217.767,32.388 217.29,31.911 217.29,31.035 217.767,30.558 227.464,30.558 227.807,30.215 227.807,30.034 227.807,28.736 227.496,28.425 v1(227.496,28.386)
  L8 w0.12: J11_Slot7.K4@221.48,21.55 221.48,21.671 221.936,22.127 221.936,22.469 222.204,22.737 226.197,22.737 226.867,23.407 227.787,24.327 227.787,28 227.496,28.291 v1(227.496,28.386)
7_DIFF_4_N: J3.F8 J11_Slot7.I4 | length 291.8
  L4 w0.102: v1(172.431,33.45) 172.42,33.45 172.12,33.15 172.12,32.65 172.42,32.35 172.92,31.85 175.696,31.85 177.496,33.65 182.296,33.65 183.52,34.874 185.88,34.874 186.183,34.571 186.491,34.263 187.193,33.561 187.193,31.586 187.65,31.129 188.005,30.774 191.79,30.774 193.801,28.762 195.651,26.912 200.034,22.529 217.793,22.529 218.095,22.227 218.095,21.874 218.419,21.55 J11_Slot7.I4@218.68,21.55
  L10 w0.102: J3.F8@1.12,58.55 0.534,57.965 0.534,57.901 0.753,57.682 12.526,57.682 19.731,50.477 19.731,43.873 23.001,40.603 94.254,40.603 99.078,35.779 112.889,35.779 114.811,33.857 137.923,33.857 140.216,36.15 147.828,36.15 148.75,36.15 149.164,35.736 149.164,34.143 149.443,33.864 150.002,33.864 150.282,34.143 150.282,36.907 150.695,37.32 151.444,37.32 151.858,36.907 151.858,34.143 152.137,33.864 152.696,33.864 152.976,34.143 152.976,36.907 153.389,37.32 154.138,37.32 154.552,36.907 154.552,34.143 154.831,33.864 155.39,33.864 155.67,34.143 155.67,36.907 156.083,37.32 156.832,37.32 157.246,36.907 157.246,34.143 157.525,33.864 158.084,33.864 158.364,34.143 158.364,36.907 158.777,37.32 159.526,37.32 159.94,36.907 159.94,34.143 160.219,33.864 160.778,33.864 161.058,34.143 161.058,36.907 161.471,37.32 162.22,37.32 162.634,36.907 162.634,34.143 162.913,33.864 163.472,33.864 163.752,34.143 163.752,36.907 164.165,37.32 164.914,37.32 165.328,36.907 165.328,34.143 165.607,33.864 166.166,33.864 166.446,34.143 166.446,36.907 166.859,37.32 167.608,37.32 168.022,36.907 168.022,34.143 168.301,33.864 168.86,33.864 169.14,34.143 169.14,35.736 169.553,36.15 169.766,36.15 170.82,36.15 172.071,34.899 172.071,33.849 172.431,33.489 v1(172.431,33.45)
7_DIFF_4_P: J3.E8 J11_Slot7.H4 | length 291.7
  L4 w0.102: v1(171.579,33.45) 171.591,33.45 171.891,33.15 171.891,32.555 172.177,32.269 172.825,31.621 175.791,31.621 177.591,33.421 182.391,33.421 183.615,34.645 185.785,34.645 185.954,34.476 186.248,34.182 186.964,33.466 186.964,31.491 187.407,31.048 187.91,30.545 191.695,30.545 193.572,28.667 195.408,26.831 199.94,22.3 217.698,22.3 217.865,22.132 217.865,21.874 217.541,21.55 J11_Slot7.H4@217.28,21.55
  L10 w0.102: J3.E8@-0.28,58.55 0.306,57.965 0.306,57.806 0.658,57.453 12.431,57.453 19.502,50.382 19.502,43.778 22.906,40.374 94.159,40.374 98.983,35.55 112.794,35.55 114.498,33.847 114.717,33.628 138.018,33.628 140.311,35.921 147.828,35.921 148.655,35.921 148.935,35.642 148.935,34.049 149.348,33.635 150.097,33.635 150.511,34.049 150.511,36.812 150.79,37.091 151.349,37.091 151.629,36.812 151.629,34.049 152.042,33.635 152.791,33.635 153.205,34.049 153.205,36.812 153.484,37.091 154.043,37.091 154.323,36.812 154.323,34.049 154.736,33.635 155.485,33.635 155.899,34.049 155.899,36.812 156.178,37.091 156.737,37.091 157.017,36.812 157.017,34.049 157.43,33.635 158.179,33.635 158.593,34.049 158.593,36.812 158.872,37.091 159.431,37.091 159.711,36.812 159.711,34.049 160.124,33.635 160.873,33.635 161.287,34.049 161.287,36.812 161.566,37.091 162.125,37.091 162.405,36.812 162.405,34.049 162.818,33.635 163.567,33.635 163.981,34.049 163.981,36.812 164.26,37.091 164.819,37.091 165.099,36.812 165.099,34.049 165.512,33.635 166.261,33.635 166.675,34.049 166.675,36.812 166.954,37.091 167.513,37.091 167.793,36.812 167.793,34.049 168.206,33.635 168.955,33.635 169.369,34.049 169.369,35.642 169.648,35.921 169.766,35.921 170.725,35.921 171.842,34.804 171.842,33.834 171.579,33.571 v1(171.579,33.45)
7_DIFF_5_N: J5.H1 J11_Slot7.K5 | length 295.7
  L8 w0.12: J11_Slot7.K5@221.58,23.55 221.015,24.115 221.015,24.219 221.015,24.428 221.085,24.498 224.189,24.498 224.256,24.565 224.894,25.203 225.699,26.008 225.699,28.716 226.847,29.863 231.384,29.863 231.675,29.572 v1(231.77,29.572)
  L10 w0.102: J5.H1@4.02,79.55 3.434,80.136 3.434,80.251 3.598,80.415 10.22,80.415 10.271,80.415 10.627,80.415 cw(c10.627,80.237) 10.805,80.237 10.805,80.085 ccw(c10.983,80.085) 10.983,79.907 ccw(c10.983,80.085) 11.161,80.085 11.161,80.237 cw(c11.339,80.237) 11.339,80.415 11.523,80.415 11.574,80.415 17.711,86.551 199.619,86.551 201.32,84.85 202.891,83.279 202.891,42.855 214.996,30.75 227.496,30.75 228.362,29.884 231.419,29.884 231.73,29.572 v1(231.77,29.572)
7_DIFF_5_P: J5.G1 J11_Slot7.J5 | length 295.8
  L8 w0.12: J11_Slot7.J5@220.18,23.55 220.745,24.115 220.745,24.219 220.745,24.54 220.974,24.768 224.078,24.768 224.624,25.315 225.429,26.119 225.429,28.828 226.735,30.133 231.384,30.133 231.675,30.424 v1(231.77,30.424)
  L10 w0.102: J5.G1@2.62,79.55 3.206,80.136 3.206,80.346 3.503,80.644 11.48,80.644 17.616,86.78 199.714,86.78 201.32,85.174 203.12,83.374 203.12,42.95 215.091,30.979 227.591,30.979 228.457,30.113 231.419,30.113 231.73,30.424 v1(231.77,30.424)
7_DIFF_6_N: J5.K1 J11_Slot7.H5 | length 293.8
  L2 w0.102: v1(217.024,82.31) 217.024,82.348 217.335,82.66 217.335,83.21 218.289,84.164 220.789,84.164 229.141,75.813 229.141,36.971 225.049,32.879 225.049,25.155 224.354,24.46 217.012,24.46 216.794,24.242 216.794,23.874 217.119,23.55 J11_Slot7.H5@217.38,23.55
  L4 w0.102: J5.K1@8.22,79.55 7.635,80.136 7.635,80.235 7.814,80.415 11.145,80.415 13.257,80.415 18.682,85.84 208.758,85.84 211.177,83.421 217.033,83.421 217.343,83.111 217.343,82.804 217.024,82.485 v1(217.024,82.31)
7_DIFF_6_P: J5.J1 J11_Slot7.G5 | length 293.8
  L2 w0.102: J11_Slot7.G5@215.98,23.55 216.241,23.55 216.566,23.874 216.566,24.337 216.917,24.689 224.259,24.689 224.82,25.25 224.82,32.974 228.912,37.066 228.912,75.718 220.695,83.935 ; v1(217.876,82.31) 217.876,82.348 217.564,82.66 217.564,83.116 218.384,83.936 220.694,83.936
  L4 w0.102: J5.J1@6.82,79.55 7.405,80.136 7.405,80.329 7.72,80.644 13.162,80.644 18.587,86.069 208.852,86.069 209.919,85.002 211.271,83.65 217.128,83.65 217.572,83.206 217.572,82.789 217.876,82.485 v1(217.876,82.31)
7_DIFF_7_N: J5.C2 J11_Slot7.F6 | length 290.6
  L2 w0.102: J5.C2@-3.08,81.55 -3.665,82.135 -3.665,82.235 -3.489,82.412 10.72,82.412 11.127,82.412 cw(c11.127,82.234) 11.305,82.234 11.305,82.082 ccw(c11.483,82.082) 11.483,81.904 ccw(c11.483,82.082) 11.661,82.082 11.661,82.234 cw(c11.839,82.234) 11.839,82.412 12.42,82.412 12.999,82.412 15.615,85.027 189.708,85.027 198.394,76.341 198.394,35.676 200.12,33.95 200.12,32.575 199.494,31.95 198.92,31.95 198.609,32.261 v1(198.57,32.261)
  L4 w0.102: v1(198.57,32.261) 198.609,32.261 198.92,31.95 199.85,31.95 199.968,31.95 200.311,32.293 200.311,32.459 200.788,32.936 201.664,32.936 202.141,32.459 202.141,30.455 202.484,30.112 203.17,30.112 203.513,30.455 203.513,32.459 203.99,32.936 204.866,32.936 205.343,32.459 205.343,30.455 205.686,30.112 206.372,30.112 206.715,30.455 206.715,31.473 207.192,31.95 208.024,31.95 208.794,31.95 209.116,31.628 209.199,31.544 209.684,31.544 210.307,32.167 210.982,32.167 211.601,31.548 211.601,30.873 209.985,29.257 209.985,28.772 210.47,28.287 210.955,28.287 212.571,29.903 213.246,29.903 213.865,29.284 213.865,28.609 213.242,27.986 213.242,27.501 213.482,27.261 213.566,27.178 213.894,26.849 213.894,26.136 J11_Slot7.F6@214.48,25.55
7_DIFF_7_P: J5.B2 J11_Slot7.E6 | length 290.6
  L2 w0.102: J5.B2@-4.48,81.55 -3.895,82.135 -3.895,82.33 -3.583,82.641 12.905,82.641 15.52,85.256 189.802,85.256 193.765,81.294 198.623,76.436 198.623,35.771 200.349,34.045 200.349,32.481 199.589,31.721 198.92,31.721 198.609,31.409 v1(198.57,31.409)
  L4 w0.102: v1(198.57,31.409) 198.609,31.409 198.92,31.721 199.85,31.721 200.063,31.721 200.54,32.198 200.54,32.364 200.883,32.707 201.569,32.707 201.912,32.364 201.912,30.36 202.389,29.883 203.265,29.883 203.742,30.36 203.742,32.364 204.085,32.707 204.771,32.707 205.114,32.364 205.114,30.36 205.591,29.883 206.467,29.883 206.944,30.36 206.944,31.378 207.287,31.721 208.024,31.721 208.699,31.721 208.954,31.466 209.037,31.382 209.104,31.315 209.779,31.315 210.402,31.938 210.887,31.938 211.372,31.453 211.372,30.968 209.756,29.352 209.756,28.677 210.375,28.058 211.05,28.058 212.666,29.674 213.151,29.674 213.636,29.189 213.636,28.704 213.013,28.081 213.013,27.406 213.32,27.099 213.404,27.016 213.665,26.754 213.665,26.136 J11_Slot7.E6@213.08,25.55
7_DIFF_8_N: J5.F2 J11_Slot7.C6 | length 292.9
  L2 w0.102: J5.F2@1.12,81.55 0.534,80.965 0.534,80.853 0.728,80.66 11.247,80.66 13.076,80.66 16.327,83.91 189.04,83.91 197.449,75.501 197.449,45.359 195.02,42.93 194.504,42.414 194.504,40.591 194.027,40.114 189.219,40.114 188.876,39.771 188.876,39.085 189.219,38.742 196.413,38.742 196.89,38.265 196.89,37.389 196.413,36.912 189.219,36.912 188.876,36.569 188.876,35.883 189.219,35.54 194.027,35.54 194.504,35.063 194.504,34.85 194.504,33.181 194.816,32.87 v1(194.816,32.831)
  L4 w0.102: v1(194.816,32.831) 194.816,32.791 194.504,32.48 194.504,31.005 196.666,28.843 208.344,28.843 209.3,27.887 209.694,27.493 209.694,26.136 J11_Slot7.C6@210.28,25.55
7_DIFF_8_P: J5.E2 J11_Slot7.B6 | length 292.9
  L2 w0.102: J5.E2@-0.28,81.55 0.306,80.965 0.306,80.758 0.633,80.431 13.171,80.431 16.422,83.681 188.946,83.681 194.543,78.084 197.22,75.407 197.22,45.454 194.696,42.93 194.275,42.509 194.275,40.686 193.932,40.343 189.124,40.343 188.647,39.866 188.647,38.99 189.124,38.513 196.318,38.513 196.661,38.17 196.661,37.484 196.318,37.141 189.124,37.141 188.647,36.664 188.647,35.788 189.124,35.311 193.932,35.311 194.275,34.968 194.275,34.85 194.275,33.181 193.964,32.87 v1(193.964,32.831)
  L4 w0.102: v1(193.964,32.831) 193.964,32.791 194.275,32.48 194.275,30.911 196.572,28.614 208.249,28.614 208.976,27.887 209.138,27.725 209.465,27.398 209.465,26.136 J11_Slot7.B6@208.88,25.55
7_DIFF_9_N: J5.I2 J11_Slot7.L6 | length 296.4
  L8 w0.12: 222.315,26.115 J11_Slot7.L6@222.88,25.55 222.315,26.115 222.315,29.472 227.668,34.825 232.72,34.825 233.011,34.534 v1(233.106,34.534)
  L10 w0.102: J5.I2@5.32,81.55 4.734,82.135 4.734,82.211 4.97,82.447 9.92,82.447 10.327,82.447 cw(c10.327,82.269) 10.505,82.269 10.505,82.117 ccw(c10.683,82.117) 10.683,81.939 ccw(c10.683,82.117) 10.861,82.117 10.861,82.269 cw(c11.039,82.269) 11.039,82.447 11.42,82.447 11.596,82.447 17.098,87.948 200.622,87.948 201.52,87.05 204.791,83.779 204.791,83.35 204.791,43.155 208.958,38.988 213.101,34.845 232.755,34.845 233.066,34.534 v1(233.106,34.534)
7_DIFF_9_P: J5.H2 J11_Slot7.K6 | length 295.7
  L8 w0.12: J11_Slot7.K6@221.48,25.55 222.045,26.115 222.045,29.584 227.556,35.095 232.705,35.095 232.996,35.386 v1(233.09,35.386)
  L10 w0.102: J5.H2@3.92,81.55 4.506,82.135 4.506,82.306 4.875,82.676 11.501,82.676 17.003,88.177 200.717,88.177 201.844,87.05 205.02,83.874 205.02,83.445 205.02,43.25 208.958,39.312 213.196,35.074 232.739,35.074 233.051,35.386 v1(233.09,35.386)
7_DIFF_10_N: J5.L2 J11_Slot7.I6 | length 294.2
  L2 w0.102: v1(214.65,84.697) 214.623,84.67 214.182,84.67 214.049,84.537 214.049,83.14 217.749,79.44 223.33,79.44 223.397,79.373 226.453,76.316 226.523,76.247 226.523,45.184 226.523,43.533 223.498,40.508 223.414,40.424 223.414,39.939 224.451,38.902 224.451,38.228 223.831,37.608 223.157,37.608 220.504,40.261 220.019,40.261 219.533,39.776 219.533,39.291 222.186,36.638 222.186,35.964 221.567,35.344 220.892,35.344 219.856,36.381 219.371,36.381 218.484,35.494 218.095,35.105 218.095,26.135 J11_Slot7.I6@218.68,25.55
  L4 w0.102: J5.L2@9.52,81.55 8.935,82.135 8.935,82.267 9.088,82.421 10.874,82.421 11.281,82.421 cw(c11.281,82.243) 11.459,82.243 ccw(c11.637,82.243) 11.637,82.065 ccw(c11.637,82.243) 11.815,82.243 cw(c11.993,82.243) 11.993,82.421 12.42,82.421 12.85,82.421 17.768,87.339 208.732,87.339 209.526,87.339 211.618,85.247 212.574,84.291 213.803,84.291 214.182,84.67 214.623,84.67 v1(214.65,84.697)
7_DIFF_10_P: J5.K2 J11_Slot7.H6 | length 294.2
  L2 w0.102: v1(214.048,85.3) 214.02,85.273 214.02,84.832 213.82,84.631 213.82,83.045 217.654,79.211 223.235,79.211 226.291,76.155 226.294,76.152 226.294,45.279 ; J11_Slot7.H6@217.28,25.55 217.865,26.135 217.865,35.199 218.322,35.656 219.276,36.61 219.951,36.61 220.987,35.573 221.472,35.573 221.957,36.058 221.957,36.543 219.304,39.196 219.304,39.871 219.924,40.49 220.598,40.49 223.251,37.837 223.736,37.837 224.222,38.323 224.222,38.808 223.185,39.844 223.185,40.519 223.336,40.669 226.294,43.628 226.294,45.279
  L4 w0.102: J5.K2@8.12,81.55 8.706,82.136 8.706,82.362 8.993,82.65 12.755,82.65 17.673,87.568 208.826,87.568 209.621,87.567 211.618,85.57 212.669,84.52 213.708,84.52 214.02,84.832 214.02,85.273 v1(214.048,85.3)
7_DIFF_11_N: J6.B7 J16_Slot7.E1 | length 295.2
  L10 w0.102: J6.B7@-4.38,104.55 -4.965,103.965 -4.965,103.842 -4.844,103.72 13.68,103.72 15.61,105.65 193.64,105.65 194.31,104.98 194.394,104.896 194.879,104.896 197.012,107.029 197.687,107.029 198.306,106.41 198.306,105.735 193.726,101.155 193.726,100.67 194.211,100.185 194.696,100.185 200.523,106.012 201.198,106.012 201.817,105.393 201.817,104.718 195.99,98.891 195.99,98.406 196.475,97.921 196.96,97.921 202.787,103.748 203.462,103.748 204.081,103.129 204.081,102.454 198.254,96.627 198.254,96.141 198.739,95.656 199.224,95.656 205.052,101.484 205.726,101.484 206.346,100.864 206.346,100.19 200.518,94.362 200.518,93.877 201.003,93.392 201.488,93.392 205.293,97.197 205.968,97.197 206.587,96.578 206.587,95.903 205.23,94.545 205.23,94.06 205.616,93.674 207.143,93.674 212.361,93.674 212.594,93.44 212.594,93.136 J16_Slot7.E1@213.18,92.55
7_DIFF_11_P: J6.A7 J16_Slot7.D1 | length 295.2
  L10 w0.102: J6.A7@-5.78,104.55 -5.195,103.965 -5.195,103.747 -4.938,103.491 13.775,103.491 15.705,105.422 193.545,105.422 194.149,104.818 194.299,104.667 194.974,104.667 197.107,106.8 197.592,106.8 198.077,106.315 198.077,105.83 193.497,101.25 193.497,100.575 194.116,99.956 194.791,99.956 200.618,105.783 201.103,105.783 201.588,105.298 201.588,104.813 195.761,98.986 195.761,98.311 196.38,97.692 197.055,97.692 202.882,103.519 203.367,103.519 203.852,103.034 203.852,102.549 198.025,96.721 198.025,96.047 198.644,95.427 199.319,95.427 205.146,101.255 205.631,101.255 206.117,100.77 206.117,100.284 200.289,94.457 200.289,93.782 200.909,93.163 201.583,93.163 205.388,96.968 205.873,96.968 206.358,96.483 206.358,95.998 205.001,94.64 205.001,93.966 205.454,93.512 205.521,93.445 212.266,93.445 212.366,93.345 212.366,93.136 J16_Slot7.D1@211.78,92.55
7_DIFF_12_N: J6.E7 J16_Slot7.B1 | length 288.8
  L4 w0.102: J6.E7@-0.18,104.55 -0.766,103.965 -0.766,103.854 -0.593,103.681 13.739,103.681 15.771,105.713 193.08,105.713 193.39,105.713 195.204,105.713 195.681,105.236 195.681,95.054 196.024,94.711 196.71,94.711 197.053,95.054 197.053,105.805 197.531,106.283 198.406,106.283 198.883,105.805 198.883,95.054 199.226,94.711 199.912,94.711 200.255,95.054 200.255,105.805 200.733,106.283 201.608,106.283 202.085,105.805 202.085,95.054 202.428,94.711 203.114,94.711 203.457,95.054 203.457,105.236 203.935,105.713 205.006,105.713 205.101,105.713 205.969,104.845 205.969,94.349 206.669,93.648 208.17,93.648 208.395,93.423 208.395,93.136 J16_Slot7.B1@208.98,92.55
7_DIFF_12_P: J6.D7 J16_Slot7.A1 | length 288.8
  L4 w0.102: J6.D7@-1.58,104.55 -0.994,103.965 -0.994,103.759 -0.688,103.452 13.834,103.452 15.866,105.484 193.39,105.484 195.109,105.484 195.452,105.141 195.452,94.959 195.93,94.482 196.805,94.482 197.282,94.959 197.282,105.711 197.625,106.054 198.311,106.054 198.654,105.711 198.654,94.959 199.132,94.482 200.007,94.482 200.484,94.959 200.484,105.711 200.827,106.054 201.513,106.054 201.856,105.711 201.856,94.959 202.334,94.482 203.209,94.482 203.686,94.959 203.686,105.141 204.029,105.484 205.006,105.484 205.74,104.75 205.74,94.254 206.574,93.419 208.075,93.419 208.165,93.329 208.165,93.136 J16_Slot7.A1@207.58,92.55